# Altium PCB VIA4_datpcb.PcbDoc
Units mm, origin at the board's own origin, x right, y up, seen from the top; angles counter-clockwise.
Board outline 64.99 x 56 mm, 2 copper layers (Top Layer, Bottom Layer); 71 components, 58 nets, 352 pads, 193 vias.
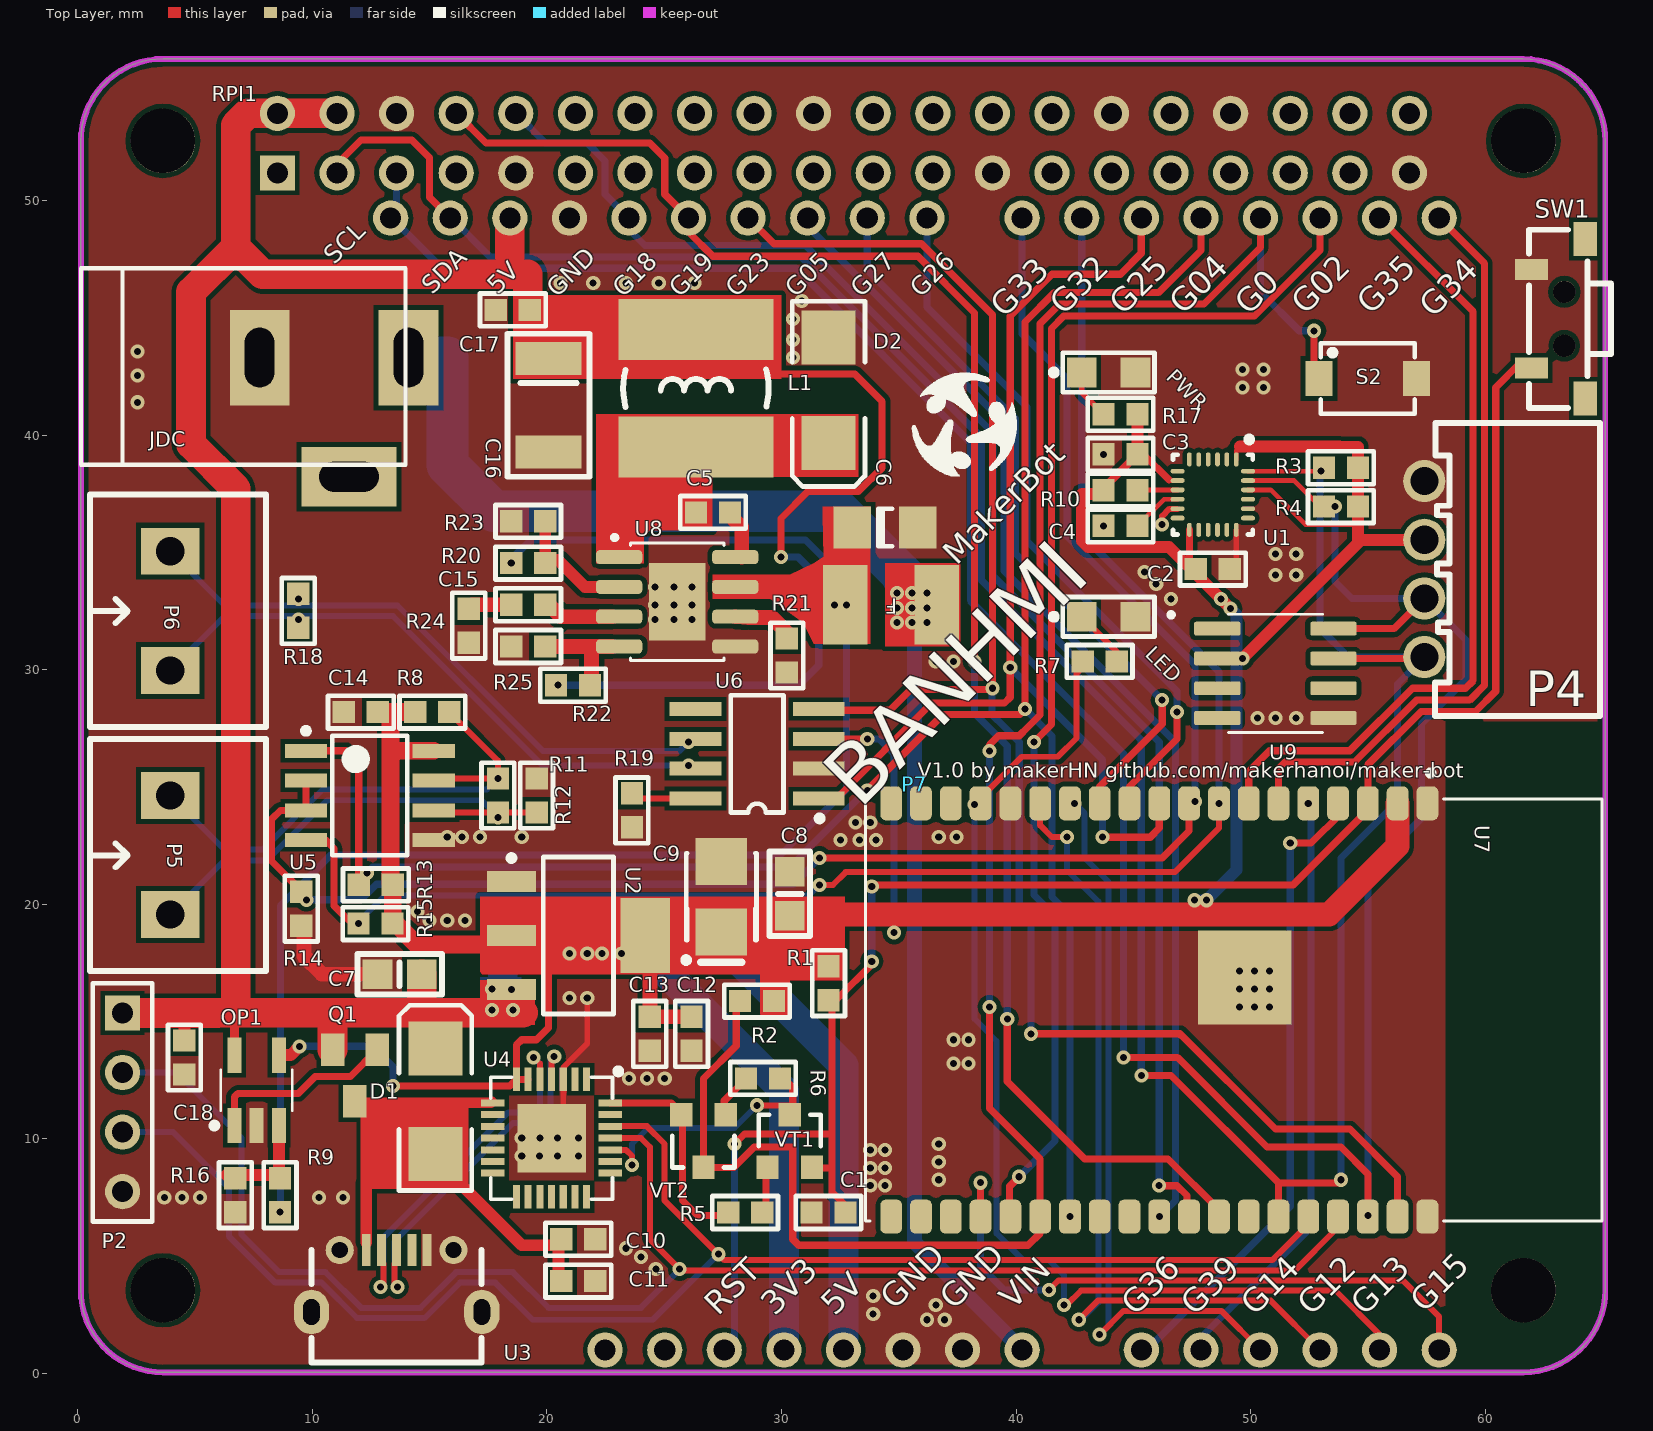
[diagram p0: Top Layer view]
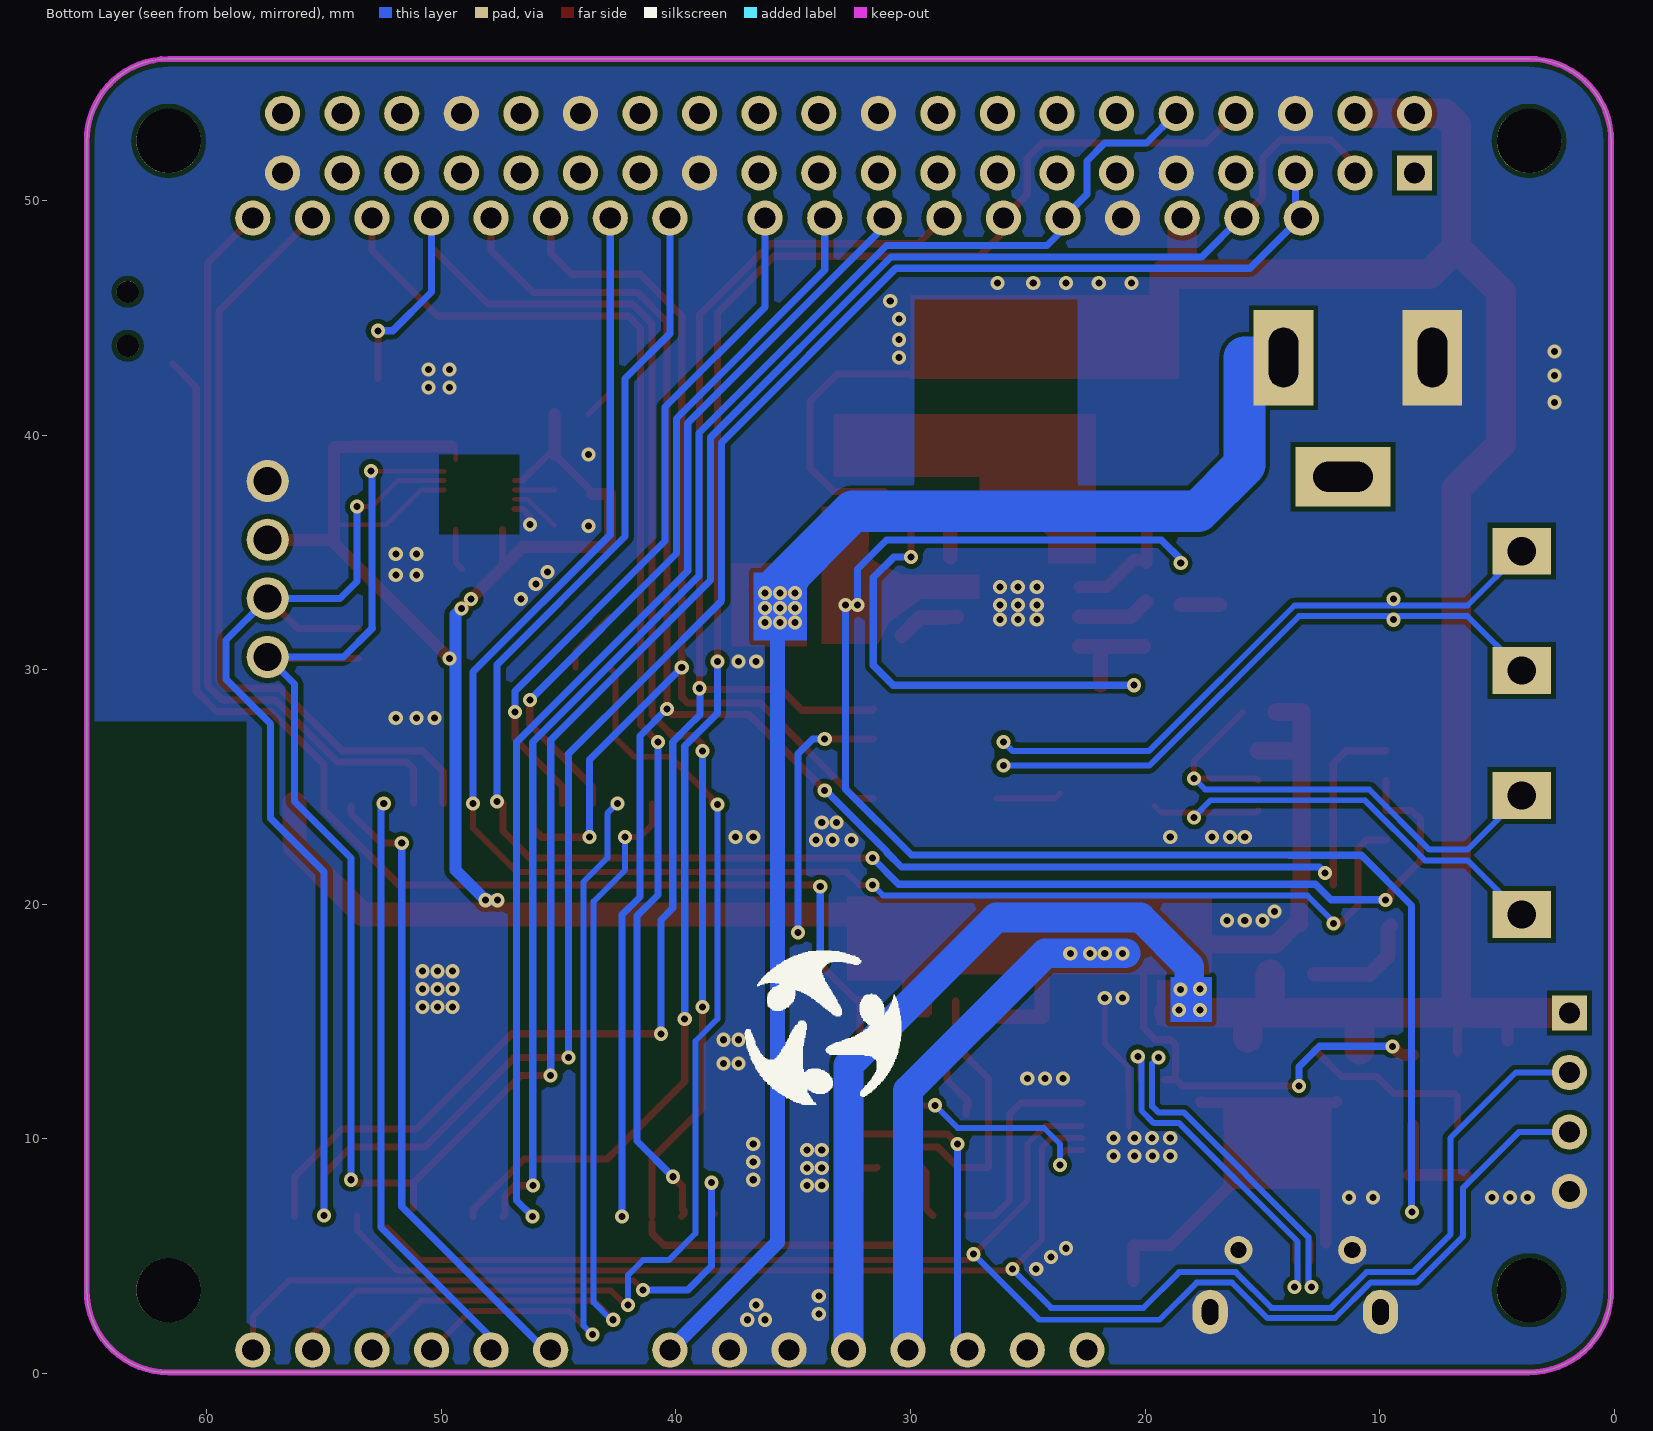
[diagram p1: Bottom Layer view, seen from below]

## Layer stack, top to bottom
Top Solder: solder mask 0.0102, Solder Resist, Dk 3.5
Top Layer: signal copper 0.0356
Dielectric 1: dielectric 0.32, FR-4, Dk 4.8
Bottom Layer: signal copper 0.0356
Bottom Solder: solder mask 0.0102, Solder Resist, Dk 3.5

## Board outline
0.127,3.543 0.127,52.543 cw(c3.627,52.543) 3.627,56.043 61.627,56.043 cw(c61.623,52.547) 65.119,52.543 65.119,3.543 cw(c61.623,3.539) 61.627,0.043 3.627,0.043 cw(c3.627,3.543)

## Design rules (kind name [scope] priority, off if disabled: settings)
Clearance Clearance_3 [InPolygon] p1: gap=0.203
Clearance Clearance_2 [InComponent('U1')] p2: gap=0.127
Clearance Clearance_1 [InComponent('U4')] p3: gap=0.127
Clearance [All] p4: gap=0.178
ComponentClearance ComponentClearance_2 [InComponent('RPI1')] p1: gap=0 collisioncheckmode=3 verticalgap=0 showdistances=FALSE
ComponentClearance ComponentClearance_1 [InComponent('P7')] p2: gap=0 collisioncheckmode=3 verticalgap=0 showdistances=FALSE
ComponentClearance [All] p3: gap=0.203 collisioncheckmode=3 verticalgap=0.203 showdistances=FALSE
DiffPairsRouting [All] p1: maxlimit=0.254 minlimit=0.127 mostfreqgap=0.203 toplayer_minwidth=0.127 toplayer_maxwidth=0.381 toplayer_prefwidth=0.203 bottomlayer_minwidth=0.127 bottomlayer_maxwidth=0.381 bottomlayer_prefwidth=0.203 maxuncoupledlength=12.7
PlaneConnect [All] p1: planeconnectstyle=Direct reliefexpansion=0.508 reliefentries=4 reliefconductorwidth=0.254 reliefairgap=0.254
PolygonConnect [All] p1: connectstyle=Direct reliefconductorwidth=0.254 reliefentries=4 polygonreliefangle="90 Angle" airgapwidth=0.254
RoutingVias [All] p1: holewidth=0.508 width=0.254 viastyle="Through Hole" minholewidth=0.3 minwidth=0.127 maxholewidth=0.635 maxwidth=15
SignalTopValue [All] p1: minimum=5.000
SolderMaskExpansion [All] p1: expansion=0
Width [All] p1: maxlimit=2.54 minlimit=0.127 preferedwidth=0.203
27 further rules are at their usual default settings.

## Classes and differential pairs
component class Usb_To_UART: C10 C11 C12 C13 R5 R6 U3 U4 VT1 VT2
component class RS485_CAN: C14 R8 R11 R12 R13 R14 R15 R18 R19 U5 U6
component class POWER: 20 C5 C6 C7 C8 C9 C15 C16 C17 C18 D1 D2 F JDC L1 OP1 PWR Q1 R9 R16 R17 R20 R21 R22 R23 R24 R25 U2 U8
component class main_esp: C1 C2 C3 C4 LED R1 R2 R3 R4 R7 R10 S2 SW1 U U1 U7 U9
component class CONNECTROS: P2 P4 P5 P6 P7 RPI1
differential pair D: +D_P -D_N
differential pair 485: +485_P -485_N
differential pair CAN: +CAN_P -CAN_N

## Components (designator, comment, footprint, x,y, rotation, side; value= is the part's Value field where it differs from the comment)
C1 "Cap Semi" SMT0603 32.004,6.858 r0 top
C2 "Cap Semi" SMT0603 48.387,34.29 r180 top
C3 "Cap Semi" SMT0603 44.45,39.181 r0 top
C4 "Cap Semi" SMT0603 44.45,36.133 r180 top
C5 "Cap Semi" SMT0603 27.075,36.705 r0 top
C6 "Cap" 1206 34.417,36.068 r0 top
C7 "10uF 25V" SMT_C_0805 13.716,17.018 r180 top
C8 "10uF 25V" SMT_C_0805 30.353,20.447 r90 top
C9 "100uF TAJB107M006RNJ" SMT_C_Tantalum_B 27.432,20.32 r90 top
C10 "Cap Semi" SMT0603 21.336,5.715 r180 top
C11 "Cap Semi" SMT0603 21.336,3.937 r180 top
C12 "Cap Semi" SMT0603 26.162,14.478 r90 top
C13 "Cap Semi" SMT0603 24.384,14.478 r90 top
C14 "Cap Semi" SMT0603 12.065,28.194 r0 top
C15 "Cap Semi" SMT0603 19.201,32.768 r0 top
C16 "47uF" Tantal_B 20.066,41.275 r270 top
C17 "Cap Semi" SMT0603 18.542,45.339 r180 top
C18 "Cap Semi" SMT0603 4.539,13.47 r270 top
D1 "SS24" SMB 15.24,11.6 r90 top
D2 "SS24" SMB 32.004,41.91 r270 top
F "1812L075PR" 1812 34.671,32.766 r180 top
JDC "Jac DC" DC-IN 10.922,40.767 r0 top
L1 "15uH" "Inductor SMD 6.8*6.8*4.5" 26.349,39.499 r90 top
LED "LED3" LED0805 43.942,32.258 r0 top (schematic designator LED1)
OP1 "Component_1" SOT23-5 7.62,12.065 r90 top
P2 "Header 4" HDR1X4 1.905,15.367 r270 top
P4 "Header 4" CONN-TH_XH2.54-4AW 57.404,34.29 r270 top
P5 "Header 2 - M" "Medium - Header 2" 3.937,22.098 r90 top
P6 "Header 2 - M" "Medium - Header 2" 3.937,32.512 r90 top
P7 "ArduinoHeader" ArduinoClone2 35.687,25.126 r0 top locked
PWR "LED3" LED0805 43.942,42.672 r0 top (schematic designator LED2)
Q1 "AO3401" SOT23 11.811,12.7 r180 top
R1 "Resistor" SMT0603 32.004,16.637 r90 top
R2 "Resistor" SMT0603 28.956,15.875 r0 top
R3 "Resistor" SMT0603 53.848,38.608 r0 top
R4 "Resistor" SMT0603 53.848,36.957 r0 top
R5 "Resistor" SMT0603 28.448,6.858 r0 top
R6 "Resistor" SMT0603 29.21,12.573 r180 top
R7 "Resistor" SMT0603 43.561,30.353 r0 top
R8 "Resistor" SMT0603 15.113,28.194 r180 top
R9 "Resistor" SMT0603 8.618,7.597 r270 top
R10 "Resistor" SMT0603 44.45,37.657 r0 top
R11 "Resistor" SMT0603 17.907,24.638 r90 top
R12 "Resistor" SMT0603 19.558,24.638 r270 top
R13 "Resistor" SMT0603 12.7,20.828 r0 top
R14 "Resistor" SMT0603 9.525,19.812 r90 top
R15 "Resistor" SMT0603 12.691,19.177 r0 top
R16 "Resistor" SMT0603 6.713,7.597 r90 top
R17 "Resistor" SMT0603 44.45,40.894 r180 top
R18 "Resistor" SMT0603 9.398,32.512 r270 top
R19 "Resistor" SMT0603 23.622,24.003 r90 top
R20 "Resistor" SMT0603 19.201,34.546 r0 top
R21 "Resistor" SMT0603 30.226,30.607 r90 top
R22 "Resistor" SMT0603 21.106,29.339 r0 top
R23 "Resistor" SMT0603 19.201,36.324 r180 top
R24 "Resistor" SMT0603 16.661,31.879 r90 top
R25 "Resistor" SMT0603 19.201,30.99 r180 top
RPI1 "RPI GPIO Connector" rpi 32.639,52.451 r180 top locked
S2 "KEY_RST/USER" SMT_SW_PTS_820 54.991,42.418 r0 top
SW1 "1TS002G-2400-3500" KEY-SMD_1TS002G 63.119,44.958 r90 top
U1 "MPU-9250" QFN40P300X300X105_HS-25L 48.387,37.465 r270 top
U2 "NCP1117ST33T3G" SOT-223 21.336,18.669 r180 top
U3 "USB_Micro_5S_B" USB_MICRO_5S_B 13.589,5.258 r180 top locked
U4 "CP2102-GM" CP2102 20.193,10.033 r270 top
U5 "MAX485" SOP8 12.446,24.638 r0 top
U6 "SN65HVD233" PCBComponent_1 28.956,26.416 r90 top
U7 "ESP32-WROVER-I" "XCVR_ESP32-WROVER-I -nokeepput" 49.276,15.494 r270 top locked
U8 "MP1584EN" SOIC127P600X170-9N 25.551,32.895 r0 top
U9 "DS3231MZ+" SOIC127P600X175-8N 51.054,29.845 r0 top
VT1 "S8050" SMT_TRIODE_NPN 30.353,9.906 r0 top
VT2 "S8050" SMT_TRIODE_NPN 26.67,9.906 r180 top

## Footprints (in the part's own frame and the unit in brackets; to place one, negate y for a bottom-side part, rotate by r counter-clockwise, add the part's x,y. Pads: shape width x height; smd on the part's side, far side on the other; paste and mask are expansions set on the pad)
1206 [mm] "Chip Capacitor; Body 3.2 x 1.6 mm (LxW typ)"
  rect 1.6x1.8 smd: 1(-1.4,0) 2(1.4,0)
  silkscreen extent -0.3,-0.8 0.3,0.8
1812 [mm]
  rect 1.9x3.4 smd: 1(-1.95,0) 2(1.95,0)
ArduinoClone2 [mm] "Base for Arduino-like boards."
  round 1.5 hole 0.9: 1(-13.208,-24.13) 2(-10.668,-24.13) 3(-8.128,-24.13) 4(-5.588,-24.13) 5(-3.048,-24.13) 6(-0.508,-24.13) 7(2.032,-24.13) 8(4.572,-24.13) 9(9.652,-24.13) 10(12.192,-24.13) 11(14.732,-24.13) 12(17.272,-24.13) 13(19.812,-24.13) 14(22.352,-24.13) 15(22.352,24.13) 16(19.812,24.13) 17(17.272,24.13) 18(14.732,24.13) 19(12.192,24.13) 20(9.652,24.13) 21(7.112,24.13) 22(4.572,24.13) 23(0.508,24.13) 24(-2.032,24.13) 25(-4.572,24.13) 26(-7.112,24.13) 27(-9.652,24.13) 28(-12.192,24.13) 29(-14.732,24.13) 30(-17.272,24.13) 31(-19.812,24.13) 32(-22.352,24.13)
CONN-TH_XH2.54-4AW [mm]
  round 1.8 hole 1.199: 1(-3.75,0) 2(-1.248,0) 3(1.251,0) 4(3.75,0)
  silkscreen extent -6.23,0.46 6.26,7.49, body extent -6.25,-1.48 6.25,7.32, height 6.55
CP2102 [mm]
  rect 1x0.3 smd: 1(-2.5,1.5) 2(-2.5,1) 3(-2.5,0.5) 4(-2.5,0) 5(-2.5,-0.5) 6(-2.5,-1) 7(-2.5,-1.5) 15(2.5,-1.5) 16(2.5,-1) 17(2.5,-0.5) 18(2.5,0) 19(2.5,0.5) 20(2.5,1) 21(2.5,1.5)
  rect 0.3x1 smd: 8(-1.5,-2.5) 9(-1,-2.5) 10(-0.5,-2.5) 11(0,-2.5) 12(0.5,-2.5) 13(1,-2.5) 14(1.5,-2.5) 22(1.5,2.5) 23(1,2.5) 24(0.5,2.5) 25(0,2.5) 26(-0.5,2.5) 27(-1,2.5) 28(-1.5,2.5)
  rect 2.921x2.921 smd paste-3.2: 29(0,0)
  silkscreen extent -2.97,-2.6 2.6,2.97, body extent -2.5,-2.5 2.5,2.5, height 1
DC-IN [mil] "Jac DC input"
  rect 100x160 hole 50 slot 100 at 90 deg: 1(125,100) 2(-125,100)
  rect 160x100 hole 50 slot 100 at 0 deg: 3(25,-100)
  silkscreen extent -425,-80 120,250, body extent -410,-105 134,269, height 434
HDR1X4 [mm] "Connector; Header; 4 Position"
  rect 1.5x1.5 hole 0.9: 1(0,0)
  round 1.5 hole 0.9: 2(2.54,0) 3(5.08,0) 4(7.62,0)
  silkscreen extent -1.27,-1.27 8.89,1.27
"Inductor SMD 6.8*6.8*4.5" [mm]
  rect 2.6x6.6 smd: 1(0,0) 2(5,0)
  silkscreen extent 1.7,-3.1 3.3,3.1, body extent -0.48,-2.99 5.5,2.99, height 4.5
KEY-SMD_1TS002G [mm]
  rect 0.9x1.4 smd: 1(-2.1,1.15) 2(2.1,1.15)
  rect 1.45x1 smd: 3(3.4,-1.15) 4(-3.4,-1.15)
  round 0.95 hole 0.95 unplated: ""(-1.15,-0.25) ""(1.15,-0.25)
  silkscreen extent -3.8,-2.25 3.8,1.25
LED0805 [mil] "Chip Resistor; Body 2.0 x 1.3 mm (LxW typ)"
  rect 50x50 smd: 1(-45,0) 2(45,0)
  silkscreen extent -97,-33 77,33, body extent -60,-25 60,25, height 47
"Medium - Header 2" [mm]
  rect 2x2.5 hole 1.2: 1(-2.54,0) 2(2.54,0)
  silkscreen extent -4.95,-4.08 4.95,3.43, body extent -5,-4.07 5,3.43, height 10
PCBComponent_1 [mm]
  rect 0.6x2.2 smd: 1(-1.905,-2.625) 2(-0.635,-2.625) 3(0.635,-2.625) 4(1.905,-2.625) 5(1.905,2.625) 6(0.635,2.625) 7(-0.635,2.625) 8(-1.905,2.625)
  silkscreen extent -2.88,-2.79 2.5,1.13, body extent -2.54,-1.4 2.54,1.4, height 2.65
QFN40P300X300X105_HS-25L [mm] "QFN, 24-Leads, Body 3.00x3.00mm, Pitch 0.40mm, Thermal Pad 1.70x1.54mm, IPC High Density"
  oval 0.6x0.2 smd: 1(-1.5,1) 2(-1.5,0.6) 3(-1.5,0.2) 4(-1.5,-0.2) 5(-1.5,-0.6) 6(-1.5,-1) 13(1.5,-1) 14(1.5,-0.6) 15(1.5,-0.2) 16(1.5,0.2) 17(1.5,0.6) 18(1.5,1)
  oval 0.2x0.6 smd: 7(-1,-1.5) 8(-0.6,-1.5) 9(-0.2,-1.5) 10(0.2,-1.5) 11(0.6,-1.5) 12(1,-1.5) 19(1,1.5) 20(0.6,1.5) 21(0.2,1.5) 22(-0.2,1.5) 23(-0.6,1.5) 24(-1,1.5)
  rect 0x0 smd: 25(0,0)
  silkscreen extent -2.47,-1.7 1.7,1.7, body extent -1.55,-1.55 1.55,1.55, height 1.05
rpi [mm]
  rect 1.5x1.5 hole 0.9: 1(24.13,1.27)
  round 1.5 hole 0.9: 2(24.13,-1.27) 3(21.59,1.27) 4(21.59,-1.27) 5(19.05,1.27) 6(19.05,-1.27) 7(16.51,1.27) 8(16.51,-1.27) 9(13.97,1.27) 10(13.97,-1.27) 11(11.43,1.27) 12(11.43,-1.27) 13(8.89,1.27) 14(8.89,-1.27) 15(6.35,1.27) 16(6.35,-1.27) 17(3.81,1.27) 18(3.81,-1.27) 19(1.27,1.27) 20(1.27,-1.27) 21(-1.27,1.27) 22(-1.27,-1.27) 23(-3.81,1.27) 24(-3.81,-1.27) 25(-6.35,1.27) 26(-6.35,-1.27) 27(-8.89,1.27) 28(-8.89,-1.27) 29(-11.43,1.27) 30(-11.43,-1.27) 31(-13.97,1.27) 32(-13.97,-1.27) 33(-16.51,1.27) 34(-16.51,-1.27) 35(-19.05,1.27) 36(-19.05,-1.27) 37(-21.59,1.27) 38(-21.59,-1.27) 39(-24.13,1.27) 40(-24.13,-1.27)
  body extent -25.4,-2.49 25.4,2.59, height 2.7
SMB [mm]
  rect 2.3x2.3 smd: 1(-2.25,0) 2(2.25,0)
  silkscreen extent -3.8,-1.55 4.1,1.55
SMT0603 [mm]
  rect 0.95x0.95 smd: 1(-0.725,0) 2(0.725,0)
  silkscreen extent -1.4,-0.7 1.4,0.7, body extent -1.02,-0.45 1.03,0.45, height 2.65
SMT_C_0805 [mil]
  rect 50x50 smd: 1(-37,0) 2(37,0)
  silkscreen extent -71,-34 71,34, body extent -49,-24 49,25, height 31
SMT_C_Tantalum_B [mm]
  rect 2x2.2 smd: 1(-1.5,0) 2(1.5,0)
  silkscreen extent -2.82,-1.5 1.85,1.62, body extent -1.75,-1.4 1.75,1.4, height 1.9
SMT_SW_PTS_820 [mm]
  rect 1.143x1.5 smd: 1(-2.075,0) 2(2.075,0)
  round 0 all layers, no hole paste-2.54 mask-2.54: MH1(0,0.9) MH2(0,-0.9)
  silkscreen extent -2,-1.5 2,1.5, body extent -2.25,-1.55 2.25,1.55, height 2.05
SMT_TRIODE_NPN [mm]
  rect 0.95x1 smd: 1(-0.95,-1.125) 2(0.95,-1.125) 3(0,1.125)
  silkscreen extent -1.33,-0.22 1.32,1.13, body extent -1.45,-1.4 1.45,1.4, height 1.3
SOIC127P600X170-9N [mm]
  rrect54% 1.97x0.6 smd: 1(-2.475,1.905) 2(-2.475,0.635) 3(-2.475,-0.635) 4(-2.475,-1.905) 5(2.475,-1.905) 6(2.475,-0.635) 7(2.475,0.635) 8(2.475,1.905)
  rect 2.41x3.3 smd paste-3: 9(0,0)
  silkscreen extent -2.77,-2.5 2,2.84
SOIC127P600X175-8N [mm]
  rrect25% 1.97x0.59 smd: 1(-2.475,1.905) 2(-2.475,0.635) 3(-2.475,-0.635) 4(-2.475,-1.905) 5(2.475,-1.905) 6(2.475,-0.635) 7(2.475,0.635) 8(2.475,1.905)
  silkscreen extent -4.54,-2.52 2,2.59
SOP8 [mm]
  rect 1.8x0.6 smd: 1(-2.725,1.905) 2(-2.725,0.635) 3(-2.725,-0.635) 4(-2.725,-1.905) 5(2.725,-1.905) 6(2.725,-0.635) 7(2.725,0.635) 8(2.725,1.905)
  silkscreen extent -2.85,-2.55 1.6,2.88, body extent -3.02,-2.51 3.02,2.51, height 1.6
SOT23 [mm]
  rect 1x1.4 smd: 1(-0.95,-1.1) 2(0.95,-1.1) 3(0,1.1)
SOT23-5 [mm] "SOT23, 5-Leads, Body 3.0x3.0mm (max), Pitch 0.95mm, IPC Medium Density"
  rect 1.5x0.6 smd: 1(-1.5,0.95) 2(-1.5,0) 3(-1.5,-0.95) 4(1.5,-0.95) 5(1.5,0.95)
  silkscreen extent -1.62,-1.52 0.87,1.92, body extent -1.75,-1.52 1.75,1.53, height 1.45
SOT-223 [mm]
  rect 2.1x0.9 smd: 1(2.85,-2.3) 2(2.85,0) 3(2.85,2.3)
  rect 2.1x3.2 smd: 2(-2.85,0)
  silkscreen extent -1.5,-3.42 2.97,3.35, body extent -3.54,-3.25 3.54,3.25, height 1.65
Tantal_B [mm]
  rect 1.4x2.8 smd: 1(-2,0) 2(2,0)
  silkscreen extent -3.05,-1.75 3.05,1.75, body extent -1.8,-1.4 1.7,1.4, height 1.9
USB_MICRO_5S_B [mil]
  rect 15x54 smd: 1(51,0) 2(25.5,0) 3(0,0) 4(-25.5,0) 5(-51,0)
  oval 59.06x74.8 hole 27.56 slot 43.31 at 90 deg: 6(-143,104) 7(143,104)
  round 47.24 hole 27.5: 8(95.5,0) 9(-95.5,0)
  silkscreen extent -143,0 143,189, body extent -161,-9 161,204, height 105
"XCVR_ESP32-WROVER-I -nokeepput" [mm]
  rrect50% 1.45x0.93 smd: 1(-8.81,8.26) 2(-8.81,6.99) 3(-8.81,5.72) 4(-8.81,4.45) 5(-8.81,3.18) 6(-8.81,1.91) 7(-8.81,0.64) 8(-8.81,-0.63) 9(-8.81,-1.9) 10(-8.81,-3.17) 11(-8.81,-4.44) 12(-8.81,-5.71) 13(-8.81,-6.98) 14(-8.81,-8.25) 15(-8.81,-9.52) 16(-8.81,-10.79) 17(-8.81,-12.06) 18(-8.81,-13.33) 19(-8.81,-14.6) 20(8.81,-14.6) 21(8.81,-13.33) 22(8.81,-12.06) 23(8.81,-10.79) 24(8.81,-9.52) 25(8.81,-8.25) 26(8.81,-6.98) 27(8.81,-5.71) 28(8.81,-4.44) 29(8.81,-3.17) 30(8.81,-1.9) 31(8.81,-0.63) 32(8.81,0.64) 33(8.81,1.91) 34(8.81,3.18) 35(8.81,4.45) 36(8.81,5.72) 37(8.81,6.99) 38(8.81,8.26)
  rect 4x4 smd paste-3: 39(-1.38,0.47)
  silkscreen extent -10.22,-15.7 9,15.7, body extent -9,-15.83 9,15.57, height 3.3

## Part data
C1 C2 C4 C5 C10 C12 C15 C17: library part CAP-SM-0603-X5R-10uF, "CAP SM 0603 X5R 10uF 10%"
C3 C11 C13 C14 C18: library part CAP-SM-0603-X7R-100nF, "CAP SM 0603 X7R 100nF 10%"
C6: "Capacitor"
C7 C8: library part SMT_C_0805, "Surface mount capacitor 0805"
C9: library part SMT_C_Tantalum_B, "Capacitor, SM Tantalum; Body 3.5 x 2.8 mm (LxW typ)"
C16: library part "Cap Pol", "Polarized Capacitor (Axial)"
D1 D2: library part "D Schottky", "Schottky Diode"
F: "Polymeric PTC Resettable Fuse 13.2V 750mA Ih Surface Mount 1812 _4532 Metric_, Concave"
JDC: library part DCIN, "Jac DC input"
L1: library part Inductor